# KiCad board lumpen.kicad_pcb (continued)
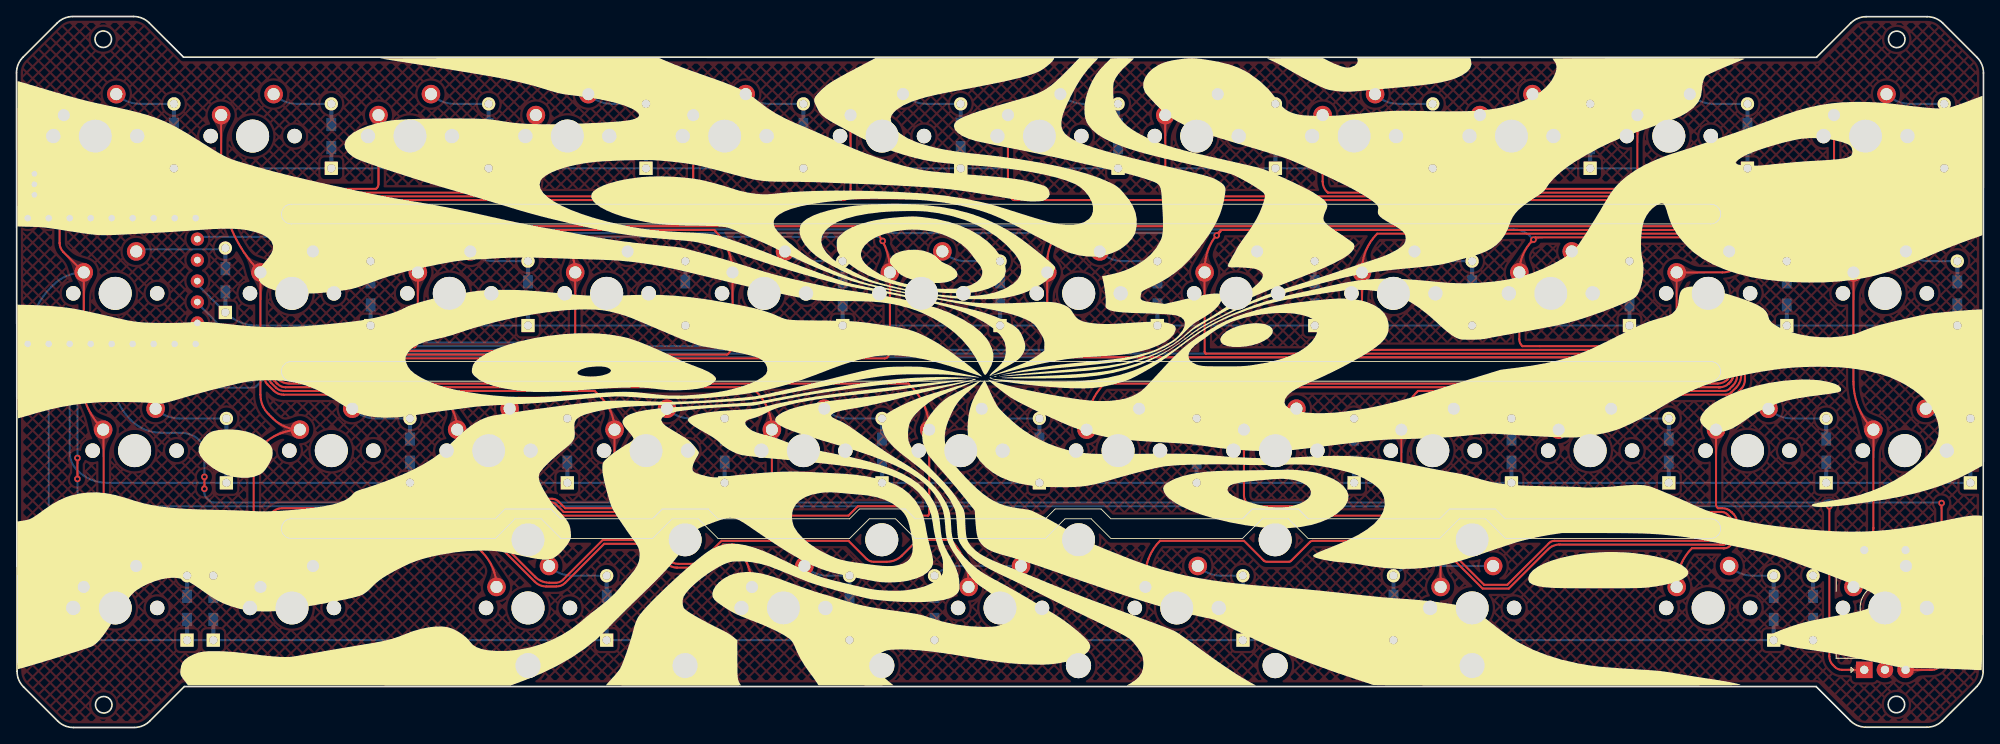
[diagram p0: board, top side]
## Copper pours and planes (outline as drawn; the poured copper is in the pictures) (continued)
COL8 on Top: 168.41,39.36 168.29,39.16 168.18,38.98 168.08,38.81 167.99,38.66 167.9,38.52 167.82,38.39 167.74,38.27 167.66,38.16 167.23,37.51 167.15,37.39 167.07,37.27 166.98,37.13 166.89,36.98 166.79,36.82 166.68,36.65 167.6,35.51 168.7,36.47 168.64,36.64 168.46,37.08 168.41,37.22 168.36,37.35 168.32,37.47 168.29,37.6 168.26,37.72 168.24,37.83 168.23,37.95 168.23,38.08 168.23,38.2 168.25,38.33 168.28,38.46 168.32,38.6 168.38,38.74 168.45,38.9 168.53,39.06 168.62,39.24
COL8 on Top: 163.55,58.43 163.43,58.23 163.33,58.05 163.24,57.88 163.15,57.73 163.07,57.58 162.99,57.45 162.91,57.33 162.36,56.43 162.28,56.31 162.2,56.17 162.11,56.02 162.01,55.86 161.91,55.68 162.85,54.56 163.93,55.54 163.86,55.71 163.8,55.86 163.67,56.15 163.62,56.28 163.57,56.41 163.52,56.54 163.48,56.66 163.45,56.78 163.43,56.9 163.41,57.02 163.4,57.14 163.41,57.26 163.42,57.39 163.45,57.53 163.48,57.67 163.53,57.82 163.6,57.97 163.67,58.14 163.76,58.31
COL8 on Top: 158.25,71.93 158.26,72.19 158.31,72.41 158.37,72.59 158.45,72.74 158.55,72.88 158.66,73.01 158.78,73.14 158.9,73.29 159.02,73.47 159.14,73.68 158.12,74.73 157.11,73.68 157.23,73.47 157.35,73.29 157.47,73.14 157.59,73.01 157.7,72.88 157.8,72.74 157.88,72.59 157.94,72.41 157.98,72.19 158,71.93
COL8 on Top: 163.09,57.38 162.99,57.12 162.88,56.91 162.78,56.73 162.67,56.59 162.55,56.46 162.43,56.34 162.31,56.21 162.18,56.07 162.05,55.9 161.91,55.68 162.85,54.56 163.93,55.54 163.83,55.75 163.72,55.93 163.61,56.09 163.5,56.24 163.4,56.38 163.32,56.52 163.27,56.68 163.25,56.85 163.26,57.06 163.33,57.3
COL8 on Top: 167.77,33.83 167.79,34.09 167.83,34.31 167.89,34.49 167.98,34.64 168.08,34.78 168.19,34.91 168.3,35.04 168.42,35.19 168.54,35.37 168.66,35.58 167.65,36.63 166.64,35.58 166.75,35.37 166.88,35.19 167,35.04 167.11,34.91 167.22,34.78 167.32,34.64 167.4,34.49 167.47,34.31 167.51,34.09 167.52,33.83
COL8 on Bottom: 16.64,44.05 16.65,44.2 16.65,44.34 16.66,44.47 16.66,44.58 16.68,44.69 16.69,44.79 16.71,44.89 16.73,44.98 16.75,45.06 16.78,45.14 16.81,45.22 16.85,45.3 16.89,45.38 16.93,45.46 16.98,45.54 17.03,45.63 17.28,46.03 16.64,46.85 15.85,46.18 15.9,46.05 15.95,45.93 15.99,45.82 16.15,45.44 16.18,45.36 16.22,45.27 16.25,45.19 16.27,45.1 16.3,45.02 16.32,44.92 16.34,44.83 16.36,44.72 16.37,44.61 16.38,44.49 16.39,44.36 16.39,44.21 16.39,44.05
COL8 on Bottom: 16.64,44.85 16.65,45.04 16.68,45.19 16.72,45.31 16.78,45.41 16.85,45.51 16.92,45.59 17.01,45.68 17.1,45.78 17.19,45.9 17.28,46.03 16.64,46.85 15.85,46.18 15.92,46.02 15.99,45.88 16.06,45.77 16.13,45.66 16.2,45.56 16.26,45.46 16.32,45.34 16.36,45.21 16.39,45.05 16.39,44.85
COL9 on Top: 182.06,51.75 182.06,51.97 182.07,52.17 182.08,52.35 182.1,52.51 182.12,52.67 182.14,52.81 182.17,52.94 182.21,53.07 182.24,53.19 182.29,53.3 182.33,53.42 182.39,53.53 182.44,53.65 182.5,53.76 182.71,54.15 182.78,54.3 182.86,54.46 182.95,54.63 181.94,55.68 180.92,54.63 181.01,54.46 181.09,54.3 181.17,54.15 181.37,53.76 181.43,53.65 181.49,53.53 181.54,53.42 181.59,53.3 181.63,53.19 181.67,53.07 181.7,52.94 181.73,52.81 181.76,52.67 181.78,52.51 181.79,52.35 181.8,52.17 181.81,51.97 181.81,51.75
COL9 on Top: 177.3,71.93 177.31,72.19 177.36,72.41 177.42,72.59 177.5,72.74 177.6,72.88 177.71,73.01 177.83,73.14 177.95,73.29 178.07,73.47 178.19,73.68 177.17,74.73 176.16,73.68 176.28,73.47 176.4,73.29 176.52,73.14 176.64,73.01 176.75,72.88 176.85,72.74 176.93,72.59 176.99,72.41 177.03,72.19 177.05,71.93
COL9 on Top: 187.03,38.32 186.91,38.06 186.79,37.85 186.66,37.68 186.54,37.54 186.41,37.42 186.29,37.31 186.16,37.18 186.02,37.04 185.88,36.87 185.74,36.66 186.64,35.51 187.76,36.46 187.66,36.67 187.56,36.85 187.46,37.02 187.36,37.16 187.27,37.31 187.2,37.45 187.16,37.61 187.15,37.78 187.18,37.98 187.26,38.22
COL9 on Top: 177.3,70.8 177.3,71.02 177.31,71.22 177.32,71.4 177.34,71.56 177.36,71.72 177.38,71.86 177.41,71.99 177.44,72.12 177.48,72.24 177.52,72.35 177.57,72.47 177.62,72.58 177.68,72.7 177.74,72.81 177.94,73.2 178.02,73.35 178.1,73.51 178.19,73.68 177.17,74.73 176.16,73.68 176.25,73.51 176.33,73.35 176.41,73.2 176.61,72.81 176.67,72.7 176.73,72.58 176.78,72.47 176.82,72.35 176.87,72.24 176.9,72.12 176.94,71.99 176.97,71.86 176.99,71.72 177.01,71.56 177.03,71.4 177.04,71.22 177.05,71.02 177.05,70.8
COL9 on Top: 182.28,57.36 182.15,57.1 182.03,56.9 181.91,56.73 181.78,56.59 181.66,56.47 181.53,56.36 181.4,56.24 181.26,56.1 181.12,55.93 180.98,55.71 181.88,54.56 182.99,55.51 182.9,55.72 182.8,55.9 182.7,56.06 182.6,56.21 182.51,56.36 182.44,56.5 182.4,56.66 182.39,56.83 182.43,57.03 182.51,57.26
COL9 on Top: 182.84,58.36 181.02,55.77 181.88,54.56 182.99,55.51 182.93,55.67 182.82,55.97 182.77,56.12 182.72,56.25 182.68,56.38 182.64,56.51 182.61,56.63 182.59,56.75 182.57,56.87 182.57,56.99 182.57,57.11 182.59,57.23 182.61,57.36 182.65,57.49 182.7,57.62 182.77,57.76 182.85,57.9 182.94,58.06 183.05,58.22
COL9 on Top: 187.58,39.32 185.77,36.71 186.64,35.51 187.76,36.46 187.69,36.62 187.58,36.93 187.53,37.07 187.48,37.2 187.43,37.33 187.4,37.46 187.37,37.58 187.34,37.7 187.33,37.82 187.32,37.94 187.32,38.06 187.34,38.19 187.36,38.31 187.4,38.44 187.45,38.58 187.51,38.72 187.59,38.86 187.68,39.02 187.79,39.18
COL9 on Top: 182.06,52.88 182.08,53.14 182.12,53.36 182.18,53.54 182.26,53.69 182.36,53.83 182.47,53.96 182.59,54.09 182.71,54.24 182.83,54.42 182.95,54.63 181.94,55.68 180.92,54.63 181.04,54.42 181.16,54.24 181.28,54.09 181.4,53.96 181.51,53.83 181.61,53.69 181.69,53.54 181.76,53.36 181.8,53.14 181.81,52.88
COL9 on Bottom: 18.93,63.29 18.93,63.1 18.9,62.94 18.86,62.8 18.8,62.69 18.74,62.58 18.67,62.48 18.6,62.38 18.53,62.26 18.46,62.13 18.39,61.97 19.18,61.3 19.82,62.11 19.73,62.25 19.64,62.37 19.55,62.46 19.46,62.55 19.39,62.64 19.32,62.73 19.26,62.84 19.22,62.96 19.19,63.11 19.18,63.29
COL9 on Bottom: 19.97,63.79 20.05,63.93 20.09,64.02 20.1,64.08 20.08,64.1 20.04,64.08 19.97,64.04 19.89,63.98 19.79,63.88 19.68,63.77 19.55,63.64 19.42,63.5 19.28,63.34 19.15,63.17 19.01,63 18.88,62.82 18.75,62.64 18.64,62.46 18.54,62.29 18.46,62.12 18.39,61.97 19.18,61.3 18.46,62.11 18.4,62.02 18.39,61.98 18.4,62 18.45,62.07 18.53,62.17 18.62,62.31 18.74,62.48 19.53,63.64 19.64,63.79 19.73,63.92 19.8,64.02 19.84,64.08 19.85,64.08 19.82,64.03 19.76,63.92
COL10 on Top: 201.65,20.33 201.53,20.13 201.43,19.95 201.34,19.78 201.25,19.63 201.17,19.48 201.09,19.35 201.01,19.23 200.46,18.33 200.38,18.21 200.3,18.07 200.21,17.92 200.11,17.76 200.01,17.58 200.95,16.46 202.03,17.44 201.96,17.61 201.9,17.76 201.77,18.05 201.72,18.18 201.67,18.31 201.62,18.44 201.58,18.56 201.55,18.68 201.53,18.8 201.51,18.92 201.5,19.04 201.51,19.16 201.52,19.29 201.55,19.43 201.58,19.57 201.63,19.72 201.7,19.87 201.77,20.04 201.86,20.21
COL10 on Top: 201.11,51.75 201.11,51.97 201.12,52.17 201.13,52.35 201.15,52.51 201.17,52.67 201.19,52.81 201.22,52.94 201.26,53.07 201.29,53.19 201.34,53.3 201.38,53.42 201.44,53.53 201.49,53.65 201.55,53.76 201.76,54.15 201.83,54.3 201.91,54.46 202,54.63 200.99,55.68 199.97,54.63 200.06,54.46 200.14,54.3 200.22,54.15 200.42,53.76 200.48,53.65 200.54,53.53 200.59,53.42 200.64,53.3 200.68,53.19 200.72,53.07 200.75,52.94 200.78,52.81 200.81,52.67 200.83,52.51 200.84,52.35 200.85,52.17 200.86,51.97 200.86,51.75
COL10 on Top: 204.36,55.25 204.14,55.25 203.94,55.26 203.76,55.27 203.59,55.28 203.44,55.3 203.3,55.33 203.16,55.36 203.04,55.39 202.92,55.43 202.8,55.47 202.69,55.52 202.58,55.57 202.46,55.63 202.35,55.69 201.96,55.89 201.81,55.97 201.65,56.05 201.48,56.13 200.42,55.12 201.48,54.11 201.65,54.19 201.81,54.28 201.96,54.35 202.35,54.56 202.46,54.62 202.58,54.67 202.69,54.72 202.8,54.77 202.92,54.81 203.04,54.85 203.16,54.89 203.3,54.91 203.44,54.94 203.59,54.96 203.76,54.98 203.94,54.99 204.14,54.99 204.36,55
COL10 on Top: 196.35,71.93 196.36,72.19 196.41,72.41 196.47,72.59 196.55,72.74 196.65,72.88 196.76,73.01 196.88,73.14 197,73.29 197.12,73.47 197.24,73.68 196.22,74.73 195.21,73.68 195.33,73.47 195.45,73.29 195.57,73.14 195.69,73.01 195.8,72.88 195.9,72.74 195.98,72.59 196.04,72.41 196.08,72.19 196.1,71.93
COL10 on Top: 196.35,70.8 196.35,71.02 196.36,71.22 196.37,71.4 196.39,71.56 196.41,71.72 196.43,71.86 196.46,71.99 196.49,72.12 196.53,72.24 196.57,72.35 196.62,72.47 196.67,72.58 196.73,72.7 196.79,72.81 196.99,73.2 197.07,73.35 197.15,73.51 197.24,73.68 196.22,74.73 195.21,73.68 195.3,73.51 195.38,73.35 195.46,73.2 195.66,72.81 195.72,72.7 195.78,72.58 195.83,72.47 195.87,72.35 195.92,72.24 195.95,72.12 195.99,71.99 196.02,71.86 196.04,71.72 196.06,71.56 196.08,71.4 196.09,71.22 196.1,71.02 196.1,70.8
COL10 on Top: 205.89,38.86 205.73,38.55 205.6,38.28 205.49,38.05 205.1,37.3 205,37.09 204.88,36.85 204.74,36.57 205.75,35.51 206.76,36.56 206.62,36.82 206.48,37.04 206.33,37.24 206.2,37.43 206.08,37.62 206,37.8 205.95,38 205.95,38.22 206,38.47 206.12,38.75
COL10 on Top: 205.87,32.7 205.88,32.92 205.88,33.12 205.89,33.3 205.91,33.46 205.93,33.62 205.96,33.76 205.99,33.89 206.02,34.02 206.06,34.14 206.1,34.25 206.15,34.37 206.2,34.48 206.25,34.6 206.31,34.71 206.52,35.1 206.6,35.25 206.68,35.41 206.76,35.58 205.75,36.63 204.74,35.58 204.82,35.41 204.9,35.25 204.98,35.1 205.19,34.71 205.25,34.6 205.3,34.48 205.35,34.37 205.4,34.25 205.44,34.14 205.48,34.02 205.51,33.89 205.54,33.76 205.57,33.62 205.59,33.46 205.6,33.3 205.62,33.12 205.62,32.92 205.62,32.7
COL10 on Top: 201.11,52.88 201.13,53.14 201.17,53.36 201.23,53.54 201.31,53.69 201.41,53.83 201.52,53.96 201.64,54.09 201.76,54.24 201.88,54.42 202,54.63 200.99,55.68 199.97,54.63 200.09,54.42 200.21,54.24 200.33,54.09 200.45,53.96 200.56,53.83 200.66,53.69 200.74,53.54 200.81,53.36 200.85,53.14 200.86,52.88
COL10 on Top: 203.23,55.25 202.97,55.26 202.75,55.3 202.57,55.37 202.42,55.45 202.28,55.55 202.15,55.66 202.02,55.77 201.87,55.9 201.69,56.02 201.48,56.13 200.42,55.12 201.48,54.11 201.69,54.23 201.87,54.35 202.02,54.47 202.15,54.59 202.28,54.7 202.42,54.79 202.57,54.88 202.75,54.94 202.97,54.98 203.23,55
COL10 on Top: 206.64,39.77 206.46,39.62 206.31,39.48 206.19,39.33 206.09,39.19 206.01,39.04 205.95,38.9 205.9,38.75 205.86,38.61 205.82,38.47 205.8,38.33 205.77,38.18 205.74,38.04 205.71,37.91 205.66,37.77 205.61,37.63 205.54,37.5 205.46,37.36 205.35,37.23 205.22,37.1 205.07,36.96 205.75,35.51 206.76,36.56 206.67,36.74 206.51,37.08 206.43,37.25 206.35,37.41 206.28,37.57 206.23,37.72 206.18,37.88 206.14,38.03 206.11,38.17 206.09,38.32 206.09,38.46 206.11,38.6 206.14,38.74 206.2,38.88 206.27,39.02 206.36,39.16 206.48,39.3 206.62,39.43 206.79,39.57
COL10 on Top: 205.87,33.83 205.89,34.09 205.93,34.31 205.99,34.49 206.08,34.64 206.18,34.78 206.29,34.91 206.4,35.04 206.52,35.19 206.64,35.37 206.76,35.58 205.75,36.63 204.74,35.58 204.85,35.37 204.98,35.19 205.1,35.04 205.21,34.91 205.32,34.78 205.42,34.64 205.5,34.49 205.57,34.31 205.61,34.09 205.62,33.83
COL10 on Top: 201.19,19.28 201.09,19.02 200.98,18.81 200.88,18.63 200.77,18.49 200.65,18.36 200.53,18.24 200.41,18.11 200.28,17.97 200.15,17.8 200.01,17.58 200.95,16.46 202.03,17.44 201.93,17.65 201.82,17.83 201.71,17.99 201.6,18.14 201.5,18.28 201.42,18.42 201.37,18.58 201.35,18.75 201.36,18.96 201.43,19.2
COL10 on Bottom: 13.98,44.88 13.99,45.05 14.01,45.19 14.06,45.3 14.12,45.4 14.19,45.48 14.27,45.56 14.46,45.72 14.56,45.82 14.67,45.93 14.17,46.84 13.28,46.3 13.32,46.13 13.37,45.98 13.43,45.85 13.49,45.74 13.55,45.63 13.6,45.52 13.65,45.39 13.69,45.25 13.72,45.08 13.73,44.88
COL10 on Bottom: 13.98,44.08 13.98,44.22 13.98,44.35 13.99,44.47 13.99,44.59 14,44.69 14.02,44.79 14.04,44.88 14.06,44.97 14.08,45.05 14.11,45.13 14.14,45.2 14.18,45.28 14.22,45.35 14.27,45.43 14.32,45.5 14.38,45.58 14.44,45.66 14.51,45.74 14.58,45.83 14.67,45.93 14.17,46.84 13.28,46.3 13.3,46.16 13.33,46.03 13.36,45.91 13.39,45.8 13.43,45.7 13.46,45.6 13.57,45.25 13.6,45.16 13.62,45.07 13.64,44.97 13.67,44.87 13.68,44.77 13.7,44.65 13.71,44.53 13.72,44.39 13.73,44.24 13.73,44.08
COL11 on Top: 223.71,19.16 223.78,19.44 223.85,19.67 223.92,19.86 224,20.03 224.09,20.17 224.18,20.32 224.27,20.47 224.37,20.63 224.48,20.82 224.6,21.05 223.7,21.98 222.8,21.05 222.91,20.83 223.03,20.65 223.15,20.49 223.26,20.34 223.35,20.2 223.43,20.05 223.49,19.89 223.51,19.7 223.51,19.48 223.46,19.22
COL11 on Top: 224.56,23.23 224.49,23.03 224.4,22.88 224.3,22.77 224.19,22.69 224.06,22.63 223.92,22.59 223.76,22.55 223.6,22.51 223.43,22.45 223.25,22.37 223.39,21.08 224.68,21.28 224.71,21.51 224.73,21.7 224.73,21.88 224.72,22.04 224.71,22.19 224.7,22.34 224.7,22.51 224.71,22.7 224.74,22.91 224.8,23.17
COL11 on Top: 223.37,18.2 223.46,18.4 223.55,18.58 223.63,18.75 223.7,18.91 223.76,19.06 223.82,19.19 223.87,19.32 224.15,20.03 224.19,20.15 224.25,20.28 224.3,20.41 224.37,20.55 224.43,20.7 224.51,20.87 224.6,21.05 223.7,21.98 222.8,21.05 222.88,20.89 222.95,20.73 223.09,20.46 223.16,20.33 223.22,20.2 223.27,20.08 223.32,19.96 223.36,19.85 223.39,19.73 223.42,19.61 223.43,19.49 223.44,19.37 223.43,19.24 223.42,19.1 223.39,18.96 223.35,18.81 223.29,18.65 223.23,18.48 223.14,18.3
COL11 on Top: 223.4,18.98 223.32,18.75 223.22,18.58 223.1,18.46 222.97,18.37 222.82,18.31 222.66,18.27 222.48,18.23 222.29,18.18 222.1,18.12 221.89,18.03 222.04,16.58 223.49,16.79 223.53,17.04 223.55,17.26 223.55,17.46 223.54,17.64 223.53,17.81 223.52,17.99 223.51,18.17 223.53,18.38 223.57,18.63 223.64,18.91
COL11 on Top: 224.92,32.7 224.93,32.92 224.93,33.12 224.94,33.3 224.96,33.46 224.98,33.62 225.01,33.76 225.04,33.89 225.07,34.02 225.11,34.14 225.15,34.25 225.2,34.37 225.25,34.48 225.3,34.6 225.36,34.71 225.57,35.1 225.65,35.25 225.73,35.41 225.81,35.58 224.8,36.63 223.79,35.58 223.87,35.41 223.95,35.25 224.03,35.1 224.24,34.71 224.3,34.6 224.35,34.48 224.4,34.37 224.45,34.25 224.49,34.14 224.53,34.02 224.56,33.89 224.59,33.76 224.62,33.62 224.64,33.46 224.65,33.3 224.67,33.12 224.67,32.92 224.67,32.7
COL11 on Top: 220.45,57.89 220.53,57.68 220.6,57.48 220.66,57.3 220.72,57.13 220.77,56.98 220.81,56.83 220.85,56.7 220.89,56.56 220.92,56.44 220.95,56.31 220.98,56.19 221.09,55.67 221.12,55.53 221.16,55.37 221.2,55.2 221.25,55.02 221.3,54.83 222.76,54.7 222.83,56.16 222.66,56.23 222.5,56.29 222.21,56.41 222.08,56.46 221.95,56.52 221.83,56.57 221.72,56.63 221.61,56.69 221.51,56.76 221.41,56.83 221.32,56.91 221.23,57 221.15,57.1 221.07,57.21 220.99,57.33 220.91,57.47 220.83,57.62 220.75,57.79 220.68,57.98
COL11 on Top: 220.16,71.93 220.18,72.19 220.22,72.41 220.28,72.59 220.36,72.74 220.46,72.88 220.57,73.01 220.69,73.14 220.81,73.29 220.93,73.47 221.05,73.68 220.04,74.73 219.02,73.68 219.14,73.47 219.26,73.29 219.38,73.14 219.5,73.01 219.61,72.88 219.71,72.74 219.79,72.59 219.86,72.41 219.9,72.19 219.91,71.93
COL11 on Top: 223.33,37.8 223.46,37.55 223.54,37.33 223.59,37.13 223.62,36.95 223.62,36.78 223.62,36.61 223.62,36.43 223.63,36.24 223.66,36.02 223.71,35.78 225.17,35.65 225.24,37.11 225.02,37.19 224.81,37.24 224.62,37.27 224.45,37.3 224.28,37.33 224.12,37.38 223.97,37.45 223.83,37.56 223.69,37.71 223.55,37.92
COL11 on Top: 224.92,33.83 224.94,34.09 224.98,34.31 225.04,34.49 225.13,34.64 225.23,34.78 225.34,34.91 225.45,35.04 225.57,35.19 225.69,35.37 225.81,35.58 224.8,36.63 223.79,35.58 223.9,35.37 224.03,35.19 224.15,35.04 224.26,34.91 224.37,34.78 224.47,34.64 224.55,34.49 224.62,34.31 224.66,34.09 224.67,33.83
COL11 on Top: 222.51,51.75 222.51,51.97 222.52,52.17 222.53,52.35 222.55,52.51 222.57,52.67 222.59,52.81 222.62,52.94 222.66,53.07 222.69,53.19 222.74,53.3 222.78,53.42 222.83,53.53 222.89,53.65 222.95,53.76 223.16,54.15 223.23,54.3 223.31,54.46 223.4,54.63 222.39,55.68 221.37,54.63 221.46,54.46 221.54,54.3 221.62,54.15 221.82,53.76 221.88,53.65 221.94,53.53 221.99,53.42 222.04,53.3 222.08,53.19 222.12,53.07 222.15,52.94 222.18,52.81 222.2,52.67 222.23,52.51 222.24,52.35 222.25,52.17 222.26,51.97 222.26,51.75
COL11 on Top: 222.51,52.88 222.53,53.14 222.57,53.36 222.63,53.54 222.71,53.69 222.81,53.83 222.92,53.96 223.04,54.09 223.16,54.24 223.28,54.42 223.4,54.63 222.39,55.68 221.37,54.63 221.49,54.42 221.61,54.24 221.73,54.09 221.85,53.96 221.96,53.83 222.06,53.69 222.14,53.54 222.21,53.36 222.25,53.14 222.26,52.88
COL11 on Top: 223.57,20.05 223.56,19.87 223.54,19.69 223.51,19.53 223.48,19.39 223.44,19.26 223.39,19.13 223.33,19.02 223.26,18.92 223.19,18.83 223.11,18.74 223.02,18.66 222.92,18.59 222.82,18.52 222.7,18.45 222.59,18.38 222.46,18.31 222.33,18.25 221.89,18.03 222.04,16.58 223.51,16.99 223.52,17.18 223.53,17.36 223.54,17.53 223.55,17.68 223.57,17.83 223.59,17.96 223.6,18.09 223.62,18.21 223.7,18.7 223.72,18.83 223.74,18.97 223.76,19.11 223.77,19.27 223.79,19.44 223.8,19.63 223.81,19.83 223.82,20.05
COL11 on Top: 220.93,56.86 221.05,56.6 221.13,56.38 221.18,56.19 221.2,56.01 221.21,55.83 221.21,55.66 221.21,55.48 221.22,55.29 221.25,55.07 221.3,54.83 222.76,54.7 222.83,56.16 222.61,56.24 222.4,56.29 222.21,56.32 222.04,56.35 221.87,56.38 221.71,56.43 221.56,56.5 221.42,56.61 221.28,56.76 221.14,56.98
COL11 on Top: 224.67,24.19 224.67,24.02 224.66,23.87 224.64,23.73 224.61,23.6 224.58,23.48 224.54,23.37 224.49,23.27 224.43,23.18 224.37,23.1 224.3,23.02 224.23,22.95 224.14,22.88 224.05,22.81 223.96,22.75 223.85,22.69 223.75,22.63 223.63,22.57 223.51,22.51 223.25,22.37 223.39,21.08 224.7,21.48 224.7,21.65 224.7,21.81 224.71,21.96 224.72,22.09 224.73,22.22 224.75,22.34 224.76,22.45 224.78,22.56 224.84,22.99 224.86,23.11 224.88,23.23 224.89,23.36 224.9,23.5 224.91,23.65 224.92,23.81 224.92,23.99 224.92,24.19
COL11 on Top: 220.16,70.8 220.16,71.02 220.17,71.22 220.18,71.4 220.2,71.56 220.22,71.72 220.24,71.86 220.27,71.99 220.31,72.12 220.34,72.24 220.39,72.35 220.43,72.47 220.49,72.58 220.54,72.7 220.6,72.81 220.81,73.2 220.88,73.35 220.96,73.51 221.05,73.68 220.04,74.73 219.02,73.68 219.11,73.51 219.19,73.35 219.27,73.2 219.47,72.81 219.53,72.7 219.59,72.58 219.64,72.47 219.69,72.35 219.73,72.24 219.77,72.12 219.8,71.99 219.83,71.86 219.86,71.72 219.88,71.56 219.89,71.4 219.9,71.22 219.91,71.02 219.91,70.8
COL11 on Top: 222.84,38.83 222.93,38.62 223,38.42 223.06,38.24 223.12,38.08 223.17,37.92 223.22,37.78 223.26,37.64 223.29,37.51 223.33,37.38 223.36,37.26 223.39,37.14 223.5,36.62 223.54,36.47 223.57,36.32 223.62,36.15 223.66,35.97 223.71,35.78 225.17,35.65 225.24,37.11 225.07,37.18 224.91,37.24 224.62,37.36 224.49,37.41 224.36,37.47 224.24,37.52 224.13,37.58 224.02,37.64 223.92,37.71 223.82,37.78 223.73,37.86 223.64,37.95 223.55,38.04 223.47,38.15 223.39,38.28 223.31,38.41 223.23,38.57 223.15,38.74 223.08,38.92
COL11 on Bottom: 16.52,63.3 16.51,63.12 16.49,62.96 16.44,62.84 16.39,62.73 16.32,62.63 16.25,62.54 16.16,62.45 16.08,62.35 15.99,62.23 15.9,62.08 16.58,61.29 17.34,62 17.27,62.16 17.19,62.29 17.11,62.4 17.04,62.5 16.97,62.6 16.9,62.7 16.85,62.82 16.81,62.95 16.78,63.11 16.77,63.3
COL11 on Bottom: 16.52,64.1 16.52,63.95 16.52,63.81 16.51,63.68 16.5,63.56 16.49,63.45 16.47,63.35 16.45,63.26 16.43,63.17 16.41,63.08 16.38,63 16.35,62.92 16.32,62.84 16.28,62.76 16.24,62.68 16.19,62.59 15.9,62.08 16.58,61.29 17.34,62 17.29,62.13 17.23,62.25 17.02,62.73 16.98,62.81 16.95,62.89 16.92,62.98 16.89,63.06 16.87,63.15 16.84,63.24 16.82,63.34 16.81,63.44 16.8,63.55 16.78,63.67 16.78,63.8 16.77,63.95 16.77,64.1
RGB on Bottom: 3.66,65.91 3.56,65.91 3.48,65.92 3.4,65.92 3.32,65.92 3.25,65.93 3.19,65.94 3.13,65.95 3.07,65.96 3.02,65.97 2.97,65.98 2.92,66 2.39,66.24 1.92,65.79 2.39,65.34 2.92,65.58 2.97,65.59 3.02,65.61 3.07,65.62 3.13,65.63 3.19,65.64 3.25,65.65 3.32,65.65 3.4,65.66 3.48,65.66 3.56,65.66 3.66,65.66
RGB on Bottom: 8.58,63.22 8.63,63.05 8.65,62.91 8.64,62.78 8.61,62.67 8.57,62.57 8.51,62.47 8.44,62.36 8.37,62.25 8.3,62.12 8.23,61.98 9.02,61.3 9.67,62.11 9.57,62.26 9.48,62.38 9.39,62.48 9.3,62.57 9.21,62.65 9.13,62.74 9.05,62.85 8.97,62.97 8.89,63.12 8.82,63.3
RGB on Bottom: 8.25,63.92 8.32,63.8 8.37,63.68 8.42,63.57 8.46,63.47 8.5,63.37 8.52,63.28 8.53,63.19 8.54,63.1 8.54,63.02 8.54,62.93 8.53,62.85 8.51,62.76 8.49,62.68 8.46,62.59 8.43,62.5 8.4,62.41 8.23,61.98 9.02,61.3 9.67,62.11 8.46,64.04
RGB on Bottom: 3.16,65.91 3.04,65.92 2.95,65.93 2.87,65.95 2.8,65.98 2.74,66.02 2.68,66.06 2.55,66.14 2.48,66.19 2.39,66.24 1.92,65.79 2.39,65.34 2.48,65.39 2.55,65.43 2.68,65.52 2.74,65.56 2.8,65.6 2.87,65.62 2.95,65.65 3.04,65.66 3.16,65.66
Rotary_A on Top: 219.67,8.31 219.67,8.09 219.72,7.92 219.81,7.79 219.94,7.7 220.09,7.63 220.28,7.6 220.49,7.59 220.71,7.59 220.94,7.6 221.18,7.63 221.42,7.65 221.65,7.67 221.87,7.68 222.08,7.67 222.27,7.65 222.43,7.61 222.55,7.53 222.65,7.42 222.7,7.27 222.7,7.08 224.2,6.98 223.26,7.88 223.05,7.78 222.84,7.69 222.61,7.6 222.38,7.51 222.15,7.43 221.91,7.37 221.68,7.31 221.46,7.26 221.23,7.23 221.02,7.21 220.82,7.21 220.64,7.23 220.46,7.27 220.31,7.34 220.18,7.42 220.07,7.54 219.99,7.68 219.93,7.85 219.91,8.05 219.92,8.29
Rotary_A on Top: 221.71,6.86 221.94,6.84 222.14,6.81 222.29,6.75 222.43,6.68 222.55,6.59 222.66,6.5 222.78,6.4 222.92,6.29 223.07,6.18 223.26,6.08 224.2,6.98 223.26,7.88 223.07,7.78 222.92,7.67 222.78,7.57 222.66,7.46 222.55,7.37 222.43,7.28 222.29,7.21 222.14,7.15 221.94,7.12 221.71,7.11
Rotary_A on Bottom: 7.82,44.4 7.87,44.54 7.92,44.66 7.97,44.76 8.03,44.86 8.08,44.95 8.14,45.03 8.2,45.1 8.26,45.17 8.32,45.23 8.39,45.28 8.46,45.33 8.53,45.37 8.61,45.42 8.69,45.46 8.78,45.5 8.87,45.54 9.18,45.67 9.3,45.72 9.24,46.76 8.21,46.66 8.17,46.52 7.87,45.34 7.84,45.24 7.81,45.14 7.77,45.03 7.73,44.91 7.69,44.78 7.64,44.64 7.59,44.49
Rotary_A on Bottom: 8.14,45.12 8.23,45.27 8.33,45.38 8.43,45.46 8.53,45.51 8.64,45.55 8.75,45.57 8.87,45.6 9.01,45.62 9.15,45.66 9.3,45.72 9.24,46.76 8.21,46.66 8.17,46.49 8.15,46.34 8.14,46.2 8.13,45.96 8.12,45.83 8.1,45.71 8.07,45.57 8.01,45.41 7.92,45.23
Rotary_B on Top: 230.7,7.11 230.46,7.12 230.27,7.15 230.11,7.21 229.97,7.28 229.85,7.37 229.73,7.46 229.61,7.57 229.48,7.67 229.32,7.78 229.13,7.88 228.2,6.98 229.13,6.08 229.32,6.18 229.48,6.29 229.61,6.4 229.73,6.5 229.85,6.6 229.97,6.68 230.11,6.75 230.27,6.81 230.46,6.84 230.7,6.86
Rotary_B on Top: 231.64,7.11 231.47,7.11 231.31,7.11 231.16,7.11 231.02,7.11 230.88,7.12 230.75,7.13 230.63,7.14 230.51,7.16 230.4,7.17 230.29,7.19 230.19,7.22 230.09,7.25 230,7.28 229.91,7.32 229.82,7.37 229.73,7.42 229.65,7.48 229.57,7.54 229.48,7.61 229.4,7.69 228.2,6.98 229.4,6.27 229.48,6.35 229.57,6.42 229.65,6.48 229.73,6.54 229.82,6.59 229.91,6.64 230,6.68 230.09,6.71 230.19,6.74 230.29,6.77 230.4,6.79 230.51,6.81 230.63,6.82 230.75,6.83 230.88,6.84 231.02,6.85 231.16,6.85 231.31,6.85 231.47,6.86 231.64,6.86
Rotary_B on Bottom: 11.65,44.86 11.66,45.05 11.68,45.2 11.73,45.33 11.78,45.44 11.85,45.54 11.92,45.63 12,45.73 12.08,45.83 12.16,45.96 12.24,46.11 11.52,46.85 10.8,46.11 10.88,45.96 10.97,45.83 11.05,45.73 11.13,45.63 11.2,45.54 11.26,45.44 11.32,45.33 11.36,45.2 11.39,45.05 11.4,44.86
Rotary_B on Bottom: 11.65,44.06 11.65,44.22 11.65,44.36 11.66,44.49 11.67,44.6 11.68,44.71 11.7,44.81 11.72,44.91 11.74,45 11.76,45.08 11.79,45.17 11.82,45.25 11.86,45.33 11.89,45.41 11.93,45.49 12.18,45.98 12.24,46.11 11.52,46.85 10.8,46.11 10.86,45.98 11.11,45.49 11.15,45.41 11.19,45.33 11.22,45.25 11.25,45.17 11.28,45.08 11.31,45 11.33,44.91 11.35,44.81 11.36,44.71 11.37,44.6 11.38,44.49 11.39,44.36 11.4,44.22 11.4,44.06
ROW0 on Bottom: 21.45,67.86 21.3,67.86 21.16,67.86 21.03,67.87 20.91,67.88 20.8,67.89 20.7,67.91 20.6,67.93 20.51,67.95 20.43,67.97 20.35,68 20.27,68.03 20.18,68.07 20.1,68.1 20.02,68.14 19.53,68.39 19.41,68.45 18.66,67.73 19.41,67.01 19.53,67.07 20.02,67.32 20.1,67.36 20.18,67.4 20.27,67.43 20.35,67.46 20.43,67.49 20.51,67.51 20.6,67.54 20.7,67.55 20.8,67.57 20.91,67.58 21.03,67.59 21.16,67.6 21.3,67.6 21.45,67.61
ROW0 on Bottom: 11.4,63.28 11.39,63.1 11.36,62.94 11.32,62.82 11.26,62.71 11.2,62.61 11.13,62.52 11.05,62.42 10.97,62.32 10.88,62.19 10.8,62.04 11.52,61.29 12.24,62.04 12.16,62.19 12.08,62.32 12,62.42 11.92,62.52 11.85,62.61 11.78,62.71 11.73,62.82 11.68,62.94 11.66,63.1 11.65,63.28
ROW0 on Bottom: 211.95,67.86 211.8,67.86 211.66,67.86 211.53,67.87 211.41,67.88 211.3,67.89 211.2,67.91 211.1,67.93 211.01,67.95 210.93,67.97 210.85,68 210.77,68.03 210.68,68.07 210.6,68.1 210.52,68.14 210.03,68.39 209.91,68.45 209.16,67.73 209.91,67.01 210.03,67.07 210.52,67.32 210.6,67.36 210.68,67.4 210.77,67.43 210.85,67.46 210.93,67.49 211.01,67.51 211.1,67.54 211.2,67.55 211.3,67.57 211.41,67.58 211.53,67.59 211.66,67.6 211.8,67.6 211.95,67.61
ROW0 on Bottom: 11.4,64.08 11.4,63.93 11.39,63.79 11.38,63.66 11.37,63.54 11.36,63.43 11.35,63.33 11.33,63.24 11.31,63.15 11.28,63.06 11.25,62.98 11.22,62.9 11.19,62.82 11.15,62.74 11.11,62.65 10.86,62.16 10.8,62.04 11.52,61.29 12.24,62.04 12.18,62.16 11.93,62.65 11.89,62.74 11.86,62.82 11.82,62.9 11.79,62.98 11.76,63.06 11.74,63.15 11.72,63.24 11.7,63.33 11.68,63.43 11.67,63.54 11.66,63.66 11.65,63.79 11.65,63.93 11.65,64.08
